# Altium PCB CAN2XG.PcbDoc (part 1 of 2) (continued)
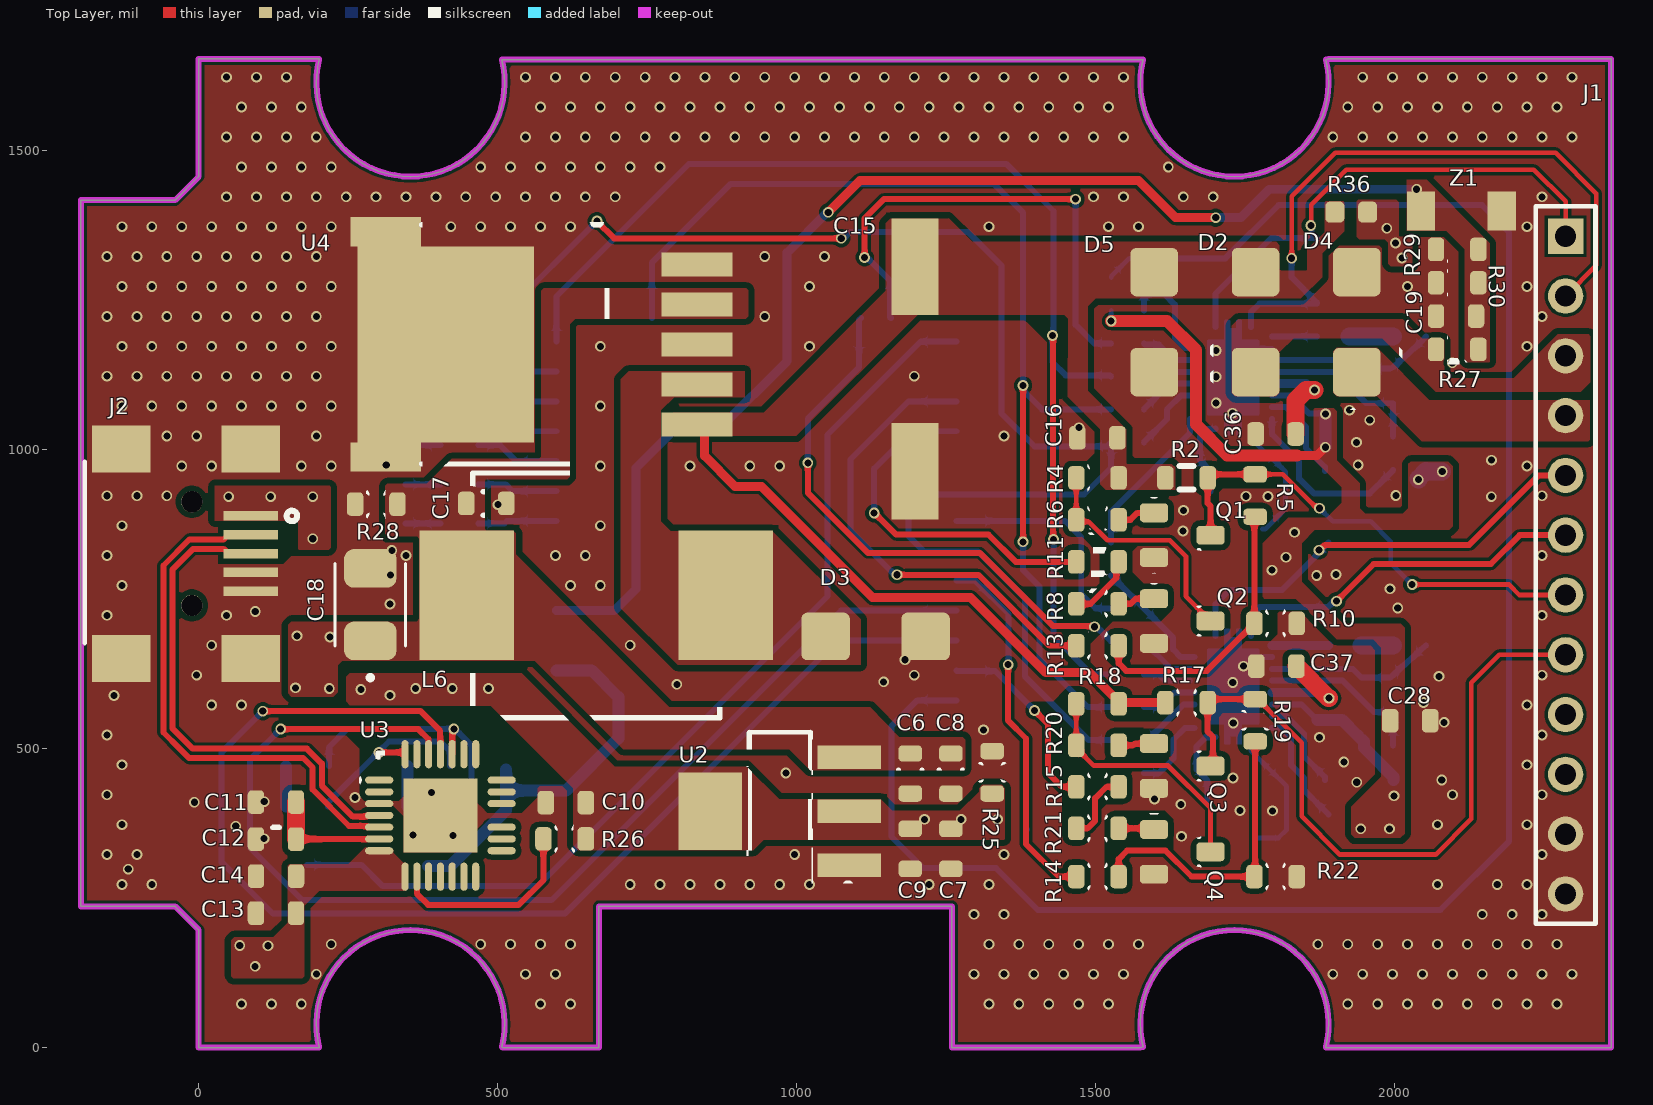
[diagram p0: Top Layer view]
## Footprints (in the part's own frame and the unit in brackets; to place one, negate y for a bottom-side part, rotate by r counter-clockwise, add the part's x,y. Pads: shape width x height; smd on the part's side, far side on the other; paste and mask are expansions set on the pad) (continued)
  silkscreen extent 0.65,-5.18 8.74,5.18, body extent -1.8,-5 13.87,5, height 4.78

## Part data
C1 C2 C6 C7 C11 C13: library part "C4.7uF 0603", "CAP CER 4.7uF 50V X7R 0603", Case/Package=0603, Dielectric=X7R, Voltage=50V
C3 C5: library part "C1uF 0603", "CAP CER 100nF 25V X7R 0603", Case/Package=0603, Dielectric=X7R, Voltage=25V
C4 C8 C10 C12 C14 C16 C17: library part "C100nF 0603", "CAP CER 100nF 25V X7R 0603", Case/Package=0603, Dielectric=X7R, Voltage=25V
C9: library part "C10uF  0603", "CAP CER 10uF 25V  0603", Case/Package=0603, Dielectric=X7R, Voltage=25V
C15: library part "C200uF 10x10.2", "220uF 50V 10x10.5mm SMD Electrolytic Capacitor", Voltage=50V
C18: library part C100uF, "100uF 16V (107C B3528) Tantalum", Voltage=16V
C19: library part "C100nF 0603", "CAP CER 100nF 25V X7R 0603", Case/Package=0603, Dielectic=X7R, Voltage=25V
C20 C28: library part "C10uF  0603", "CAP CER 10uF 25V  0603", Case/Package=0603, Dielectirc=X7R, Voltage=10V
C21 C23 C29 C31: library part "C10uF  0603", "CAP CER 100nF 25V X7R 0603", Case/Package=0603, Dielectirc=X7R, Voltage=25V
C22 C30: library part "C10uF  0603", "CAP CER 0.33uF 10V  0603", Case/Package=0603, Dielectirc=X7R, Voltage=10V
C24 C32 C36 C37: library part "C10uF  0603", "CAP CER 10uF 25V  0603", Case/Package=0603, Dielectirc=X7R, Voltage=25V
C25 C33: library part CS0805KRX7RYBB472, "CAP CER 4.7nF 50V X7R 0603", Case/Package=0603, Dielectric=X7R, Voltage=50V, ComponentLink1Description=https://datasheet.ciiva.com/204/cx7r-204728.pdf?src-supplier=Digi-Key, ComponentLink1URL=https://datasheet.ciiva.com/204/cx7r-204728.pdf?src-supplier=Digi-Key, ComponentLink2Description=https://datasheet.ciiva.com/5418/cx7r-218113-5418187.pdf?src-supplier=Mouser, ComponentLink2URL=https://datasheet.ciiva.com/5418/cx7r-218113-5418187.pdf?src-supplier=Mouser
C26 C27 C34 C35: library part CQ0805BRNPOYBN8R2, "CAP CER 9PF 50V X7R 0402", Case/Package=0402, Voltage=50V, ComponentLink1Description=https://datasheet.ciiva.com/204/cx7r-204728.pdf?src-supplier=Digi-Key, ComponentLink1URL=https://datasheet.ciiva.com/204/cx7r-204728.pdf?src-supplier=Digi-Key, ComponentLink2Description=https://datasheet.ciiva.com/5418/cx7r-218113-5418187.pdf?src-supplier=Mouser, ComponentLink2URL=https://datasheet.ciiva.com/5418/cx7r-218113-5418187.pdf?src-supplier=Mouser
D1: library part 1N4007, "DO214 SMD Version of 1N4007 Forward Current: 1A Max Repititive Reverse Voltage: 1000 V Max RMS Voltage: 700V / Max DC Blocking Voltage: 1000V", ComponentLink1Description="Supplier Link", ComponentLink1URL=https://www.ktron.in/product/m7-diode-sma/, Manufacturer Part Number=1N4007
D2: library part 1N4007, "DO214 SMD Version of 1N4007 Forward Current: 1A Max Repititive Reverse Voltage: 1000 V Max RMS Voltage: 700V  Max DC Blocking Voltage: 1000V Max instantaneous forward voltage: 1.1 V", ComponentLink1Description="Supplier Link", ComponentLink1URL=https://www.ktron.in/product/m7-diode-sma/, Maunfacturer Part Number=1N4007
D3: library part SS34-E3/57T, "Schottky Diodes & Rectifiers 3.0 Amp 40 Volt", Manufacturer Part Number=SS34-E3/57T
D4: library part 1N4007, "DO214 SMD Version of 1N4007 Forward Current: 1A Max Repititive Reverse Voltage: 1000 V Max RMS Voltage: 700V Max DC Blocking Voltage: 1000V", ComponentLink1Description="Supplier Link", ComponentLink1URL=https://www.ktron.in/product/m7-diode-sma/, Manufacturer Part Number=1N4007
D5: library part "SMBJ TVS Diode", "ESD Protection Diodes / TVS Diodes 600W 200V 5% Uni-Directional", Manufature Part Number=SMBJ200A
J1: library part "Header 12", "Header, 12-Pin"
J2: library part 1734035-2, "CONN RCPT USB2.0 MINI B SMD R/A", Manufacturer Part Number=1734035-2
L1: library part IN-S63ATR, "LED RED CLEAR 0603 SMD", Case/Packahe=0603, ComponentLink1Description=http://www.inolux-corp.com/datasheet/SMDLED/Mono%20Color%20Top%20View/IN-S63AT%20Series_V1.1.pdf?src-supplier=Digi-Key, ComponentLink1URL=http://www.inolux-corp.com/datasheet/SMDLED/Mono%20Color%20Top%20View/IN-S63AT%20Series_V1.1.pdf?src-supplier=Digi-Key, Manufacturer Part Number=IN-S63ATR
L2: library part IN-S63AT5B, "LED BLUE CLEAR 0603 SMD", Case/Package=0603, ComponentLink1Description=http://www.inolux-corp.com/datasheet/SMDLED/Mono%20Color%20Top%20View/IN-S63AT%20Series_V1.1.pdf?src-supplier=Digi-Key, ComponentLink1URL=http://www.inolux-corp.com/datasheet/SMDLED/Mono%20Color%20Top%20View/IN-S63AT%20Series_V1.1.pdf?src-supplier=Digi-Key, Manufacturer Part Number=IN-S63AT5B
L3: library part LED_Orange0603, "LED ORANGE CLEAR 0603 SMD", Case/Packahe=0603
L4: library part IN-S63AT5G, "LED GREEN CLEAR 0603 SMD", Case/Packahe=0603, ComponentLink1Description=http://www.inolux-corp.com/datasheet/SMDLED/Mono%20Color%20Top%20View/IN-S63AT%20Series_V1.1.pdf?src-supplier=Digi-Key, ComponentLink1URL=http://www.inolux-corp.com/datasheet/SMDLED/Mono%20Color%20Top%20View/IN-S63AT%20Series_V1.1.pdf?src-supplier=Digi-Key, Manufacturer Part Number=IN-S63AT5G
L5: library part "LED Y 0603", "LED YELLOW CLEAR 0603 SMD", Case/Packahe=0603, Manufacturer Part Number=IN-S63AT5Y
L6: library part "L68uH inductor", "68uH"
Q1 Q2 Q3 Q4: library part MMBT2222ALT1G, "TRANS NPN 40V 0.6A SOT23-3", Case/Package=SOT-23-3, Manufacturer Part Number=MMBT2222ALT1G
  Q2 Q3 Q4: ComponentLink1Description=https://datasheet.ciiva.com/16199/mmbt2222lt1-d-16199072.pdf?src-supplier=Future+Electronics, ComponentLink1URL=https://datasheet.ciiva.com/16199/mmbt2222lt1-d-16199072.pdf?src-supplier=Future+Electronics, ComponentLink2Description=https://datasheet.ciiva.com/15139/getdatasheetpartid-82691-15139077.pdf?src-supplier=Verical, ComponentLink2URL=https://datasheet.ciiva.com/15139/getdatasheetpartid-82691-15139077.pdf?src-supplier=Verical, ComponentLink3Description=https://datasheet.ciiva.com/7972/mmbt2222lt1-d-7972057.pdf?src-supplier=Element14, ComponentLink3URL=https://datasheet.ciiva.com/7972/mmbt2222lt1-d-7972057.pdf?src-supplier=Element14, ComponentLink4Description=https://datasheet.ciiva.com/7972/mmbt2222lt1-d-7972058.pdf?src-supplier=Element14, ComponentLink4URL=https://datasheet.ciiva.com/7972/mmbt2222lt1-d-7972058.pdf?src-supplier=Element14, ComponentLink5Description=https://datasheet.ciiva.com/14546/70099528-14546715.pdf?src-supplier=Allied+Electronics, ComponentLink5URL=https://datasheet.ciiva.com/14546/70099528-14546715.pdf?src-supplier=Allied+Electronics, ComponentLink6Description=https://datasheet.ciiva.com/25998/mmbt2222lt1-d-25998815.pdf?src-supplier=Avnet+Europe, ComponentLink6URL=https://datasheet.ciiva.com/25998/mmbt2222lt1-d-25998815.pdf?src-supplier=Avnet+Europe, ComponentLink7Description=https://datasheet.ciiva.com/976/mmbt2222lt1-d-976344.pdf?src-supplier=Digi-Key, ComponentLink7URL=https://datasheet.ciiva.com/976/mmbt2222lt1-d-976344.pdf?src-supplier=Digi-Key, ComponentLink8Description=https://datasheet.ciiva.com/976/mmbt2222lt1-d-976345.pdf?src-supplier=Digi-Key, ComponentLink8URL=https://datasheet.ciiva.com/976/mmbt2222lt1-d-976345.pdf?src-supplier=Digi-Key, ComponentLink9Description=https://datasheet.ciiva.com/976/mmbt2222lt1-d-976346.pdf?src-supplier=Digi-Key, ComponentLink9URL=https://datasheet.ciiva.com/976/mmbt2222lt1-d-976346.pdf?src-supplier=Digi-Key, ComponentLink10Description=https://datasheet.ciiva.com/11201/mmbt2222lt1-d-11201869.pdf?src-supplier=Avnet, ComponentLink10URL=https://datasheet.ciiva.com/11201/mmbt2222lt1-d-11201869.pdf?src-supplier=Avnet
R1 R7 R9 R12 R16: library part "R1K 0603", "Thick Film Resistor -  1K, 1%, 0603", Case/Package=0603
R2 R17: library part "R1K 0603", "Thick Film Resistor -  1K ohm, 1%, 0603", Case/Package=0603
R3: library part "R10K 0603", "Thick Film Resistor -  10Kohm, 1%, 0603", Case/Package=0603
R4 R6 R8 R18 R20 R21: library part R_15K, "Thick Film Resistor -  15Kohm, 1%, 0603", Case/Package=0603
R5 R10 R26: library part R_4k7, "Thick Film Resistor -  4K7 ohm, 1%, 0603", Case/Package=0603
R11 R13 R14 R15: library part R_4k7, "Thick Film Resistor -  4K7, 1%, 0603", Case/Package=0603
R19 R22: library part R_4k7, "Thick Film Resistor -  4K7ohm, 1%, 0603", Case/Package=0603
R23: library part "R10K 0603", "Thick Film Resistor -  10K, 1%, 0603", Case/Package=0603
R24: library part "R10K 0603", "Thick Film Resistor -  10K, 1%, 0603", Case/Pacake=0603
R25 R28: library part "R1MOhm 0603", "Thick Film Resistor -  10M, 1%, 0603", Case/Package=0603
R27: library part R_47K, "Thick Film Resistor -  4K7 ohm, 1%, 0603", Case/Package=0603
R29 R30: library part "R12K 0603", "Thick Film Resistor -  12K ohm, 1%, 0603", Case/Package=0603
R31 R44 R45 R46 R47 R58 R59 R60: library part ERJ6ENF1002V, "Thick Film Resistor -  10K, 1%, 0603", Case/Package=0603
  R45 R46 R59 R60: ComponentLink1Description=https://datasheet.ciiva.com/11808/0900766b80f80784-11808080.pdf?src-supplier=RSComponents, ComponentLink1URL=https://datasheet.ciiva.com/11808/0900766b80f80784-11808080.pdf?src-supplier=RSComponents, ComponentLink2Description=https://datasheet.ciiva.com/16514/aoa0000ce2-16514021.pdf?src-supplier=Avnet+Asia, ComponentLink2URL=https://datasheet.ciiva.com/16514/aoa0000ce2-16514021.pdf?src-supplier=Avnet+Asia, ComponentLink3Description=https://datasheet.ciiva.com/27055/1988971-27055733.pdf?src-supplier=Jameco, ComponentLink3URL=https://datasheet.ciiva.com/27055/1988971-27055733.pdf?src-supplier=Jameco, ComponentLink4Description=https://datasheet.ciiva.com/16759/70260748-16759350.pdf?src-supplier=Allied+Electronics, ComponentLink4URL=https://datasheet.ciiva.com/16759/70260748-16759350.pdf?src-supplier=Allied+Electronics, ComponentLink5Description=https://datasheet.ciiva.com/16725/70260748-16725031.pdf?src-supplier=Allied+Electronics, ComponentLink5URL=https://datasheet.ciiva.com/16725/70260748-16725031.pdf?src-supplier=Allied+Electronics, ComponentLink6Description=https://datasheet.ciiva.com/7830/426256-7830745.pdf?src-supplier=Element14, ComponentLink6URL=https://datasheet.ciiva.com/7830/426256-7830745.pdf?src-supplier=Element14, ComponentLink7Description=https://datasheet.ciiva.com/46372/1678782-46372714.pdf?src-supplier=Element14, ComponentLink7URL=https://datasheet.ciiva.com/46372/1678782-46372714.pdf?src-supplier=Element14, ComponentLink8Description=https://datasheet.ciiva.com/46372/1678782-46372715.pdf?src-supplier=Element14, ComponentLink8URL=https://datasheet.ciiva.com/46372/1678782-46372715.pdf?src-supplier=Element14, ComponentLink9Description=https://datasheet.ciiva.com/17212/aoa0000ce2-17212108.pdf?src-supplier=Avnet+Europe, ComponentLink9URL=https://datasheet.ciiva.com/17212/aoa0000ce2-17212108.pdf?src-supplier=Avnet+Europe, ComponentLink10Description=https://datasheet.ciiva.com/30140/aoa0000ce2-30140236.pdf?src-supplier=Onlinecomponents.com, ComponentLink10URL=https://datasheet.ciiva.com/30140/aoa0000ce2-30140236.pdf?src-supplier=Onlinecomponents.com
R32 R48: library part ERJ6ENF1002V, "Thick Film Resistor -  3K, 1%, 0603", Case/Package=0603
  R48: ComponentLink1Description=https://datasheet.ciiva.com/11808/0900766b80f80784-11808080.pdf?src-supplier=RSComponents, ComponentLink1URL=https://datasheet.ciiva.com/11808/0900766b80f80784-11808080.pdf?src-supplier=RSComponents, ComponentLink2Description=https://datasheet.ciiva.com/16514/aoa0000ce2-16514021.pdf?src-supplier=Avnet+Asia, ComponentLink2URL=https://datasheet.ciiva.com/16514/aoa0000ce2-16514021.pdf?src-supplier=Avnet+Asia, ComponentLink3Description=https://datasheet.ciiva.com/27055/1988971-27055733.pdf?src-supplier=Jameco, ComponentLink3URL=https://datasheet.ciiva.com/27055/1988971-27055733.pdf?src-supplier=Jameco, ComponentLink4Description=https://datasheet.ciiva.com/16759/70260748-16759350.pdf?src-supplier=Allied+Electronics, ComponentLink4URL=https://datasheet.ciiva.com/16759/70260748-16759350.pdf?src-supplier=Allied+Electronics, ComponentLink5Description=https://datasheet.ciiva.com/16725/70260748-16725031.pdf?src-supplier=Allied+Electronics, ComponentLink5URL=https://datasheet.ciiva.com/16725/70260748-16725031.pdf?src-supplier=Allied+Electronics, ComponentLink6Description=https://datasheet.ciiva.com/7830/426256-7830745.pdf?src-supplier=Element14, ComponentLink6URL=https://datasheet.ciiva.com/7830/426256-7830745.pdf?src-supplier=Element14, ComponentLink7Description=https://datasheet.ciiva.com/46372/1678782-46372714.pdf?src-supplier=Element14, ComponentLink7URL=https://datasheet.ciiva.com/46372/1678782-46372714.pdf?src-supplier=Element14, ComponentLink8Description=https://datasheet.ciiva.com/46372/1678782-46372715.pdf?src-supplier=Element14, ComponentLink8URL=https://datasheet.ciiva.com/46372/1678782-46372715.pdf?src-supplier=Element14, ComponentLink9Description=https://datasheet.ciiva.com/17212/aoa0000ce2-17212108.pdf?src-supplier=Avnet+Europe, ComponentLink9URL=https://datasheet.ciiva.com/17212/aoa0000ce2-17212108.pdf?src-supplier=Avnet+Europe, ComponentLink10Description=https://datasheet.ciiva.com/30140/aoa0000ce2-30140236.pdf?src-supplier=Onlinecomponents.com, ComponentLink10URL=https://datasheet.ciiva.com/30140/aoa0000ce2-30140236.pdf?src-supplier=Onlinecomponents.com
R33 R49: library part ERJ6ENF1002V, "Thick Film Resistor -  33K, 1%, 0603", Case/Package=0603
  R33: ComponentLink1Description=https://datasheet.ciiva.com/11808/0900766b80f80784-11808080.pdf?src-supplier=RSComponents, ComponentLink1URL=https://datasheet.ciiva.com/11808/0900766b80f80784-11808080.pdf?src-supplier=RSComponents, ComponentLink2Description=https://datasheet.ciiva.com/16514/aoa0000ce2-16514021.pdf?src-supplier=Avnet+Asia, ComponentLink2URL=https://datasheet.ciiva.com/16514/aoa0000ce2-16514021.pdf?src-supplier=Avnet+Asia, ComponentLink3Description=https://datasheet.ciiva.com/27055/1988971-27055733.pdf?src-supplier=Jameco, ComponentLink3URL=https://datasheet.ciiva.com/27055/1988971-27055733.pdf?src-supplier=Jameco, ComponentLink4Description=https://datasheet.ciiva.com/16759/70260748-16759350.pdf?src-supplier=Allied+Electronics, ComponentLink4URL=https://datasheet.ciiva.com/16759/70260748-16759350.pdf?src-supplier=Allied+Electronics, ComponentLink5Description=https://datasheet.ciiva.com/16725/70260748-16725031.pdf?src-supplier=Allied+Electronics, ComponentLink5URL=https://datasheet.ciiva.com/16725/70260748-16725031.pdf?src-supplier=Allied+Electronics, ComponentLink6Description=https://datasheet.ciiva.com/7830/426256-7830745.pdf?src-supplier=Element14, ComponentLink6URL=https://datasheet.ciiva.com/7830/426256-7830745.pdf?src-supplier=Element14, ComponentLink7Description=https://datasheet.ciiva.com/46372/1678782-46372714.pdf?src-supplier=Element14, ComponentLink7URL=https://datasheet.ciiva.com/46372/1678782-46372714.pdf?src-supplier=Element14, ComponentLink8Description=https://datasheet.ciiva.com/46372/1678782-46372715.pdf?src-supplier=Element14, ComponentLink8URL=https://datasheet.ciiva.com/46372/1678782-46372715.pdf?src-supplier=Element14, ComponentLink9Description=https://datasheet.ciiva.com/17212/aoa0000ce2-17212108.pdf?src-supplier=Avnet+Europe, ComponentLink9URL=https://datasheet.ciiva.com/17212/aoa0000ce2-17212108.pdf?src-supplier=Avnet+Europe, ComponentLink10Description=https://datasheet.ciiva.com/30140/aoa0000ce2-30140236.pdf?src-supplier=Onlinecomponents.com, ComponentLink10URL=https://datasheet.ciiva.com/30140/aoa0000ce2-30140236.pdf?src-supplier=Onlinecomponents.com
R34 R43 R50 R57: library part RC0805FR-0760R4L, "Thick Film Resistor -  60.4R, 1%, 0603", Case/Package=0603, ComponentLink1Description=https://industrial.panasonic.com/sa/system/files/data/download/catalog/id_fixed-resistors_e_2.pdf?src-supplier=Digi-Key, ComponentLink1URL=https://industrial.panasonic.com/sa/system/files/data/download/catalog/id_fixed-resistors_e_2.pdf?src-supplier=Digi-Key, ComponentLink2Description=https://industrial.panasonic.com/cdbs/www-data/pdf/RDM0000/DMM0000COL5.pdf?src-supplier=Digi-Key, ComponentLink2URL=https://industrial.panasonic.com/cdbs/www-data/pdf/RDM0000/DMM0000COL5.pdf?src-supplier=Digi-Key
R35 R36 R37 R38 R39 R40 R41 R42 R51 R52 R53 R54 R55 R56: library part RC0805FR-0760R4L, "Thick Film Resistor -  0R , 1%, 0603", Case/Package=0603, ComponentLink1Description=https://industrial.panasonic.com/sa/system/files/data/download/catalog/id_fixed-resistors_e_2.pdf?src-supplier=Digi-Key, ComponentLink1URL=https://industrial.panasonic.com/sa/system/files/data/download/catalog/id_fixed-resistors_e_2.pdf?src-supplier=Digi-Key, ComponentLink2Description=https://industrial.panasonic.com/cdbs/www-data/pdf/RDM0000/DMM0000COL5.pdf?src-supplier=Digi-Key, ComponentLink2URL=https://industrial.panasonic.com/cdbs/www-data/pdf/RDM0000/DMM0000COL5.pdf?src-supplier=Digi-Key
T1 T2: library part MMBT2222, "2TRANS NPN 30V 0.6A SOT23-3", Manufacturer Part Number=MMBT2222
U1: library part ESP32-WROOM-32D(M113DH3200PH3Q0), "WiFi Modules (802.11) SMD Module, ESP32-D0WD, 32Mbits SPI 4MB flash, UART mode, PCB antenna", ComponentLink1Description=Link, ComponentLink1URL=https://www.mouser.com/ProductDetail/Espressif-Systems/ESP32-WROOM-32D-N4?qs=Li%252BoUPsLEntUgv1ft2QYWQ%3D%3D, Manufacturer Part Number=ESP32-WROOM-32D(M113DH3200PH3Q0)
U2: library part LM1117IMP-3.3/NOPB, "LDO Voltage Regulators 800MA LDO LINEAR REG", Manufacturer Part Number=LM1117IMP-3.3/NOPB
U3: library part CP2102-GMR, "USB-to-UART 1-CH 640byte FIFO 3.3V Automotive 28-Pin QFN EP T/R", Manufacturer Part Number=CP2102-GMR
U4: library part LM2596S-5.0/NOPB, "Switching Voltage Regulators 150 KHZ 3A STEP-DOWN VLTG REG", Manufacturer Part Number=LM2596S-5.0/NOPB
U5 U6: library part TCAN4550RGYTQ1, "Automotive system basis chip (SBC) with integrated CAN FD controller & transceiver 20-VQFN -40 to 125", Package=None, Availability=Unavailable, Manufacturer Part Number=TCAN4550RGYTQ1, Price=None
X1 X2: library part CRYSTAL_1, "CRYSTAL 40.0000MHZ 10PF SMD", Manufacturer Part Number="TSX-3225 40.0000MF10Y-K3"
Z1: library part Zener5.1V, "Zener Diode 5.1V / 500mW / 5% Tolerance / SMD Equivalent of BZX55C5V1", Case/Package=SOD-80-2, Voltage=5.1V, ComponentLink1Description="Supplier Link", ComponentLink1URL=https://www.ktron.in/product/zener-diode-5v1-500mw-sod-80-2/

## Via types
v1: diameter 17.99, hole 11.81, Top Layer to Bottom Layer, tented both sides, 453 vias

## Nets (pads, with @x,y where several pads share a name; then routed paths per layer and width w, separated by ;. In a path a pad name is that pad's centre, name@x,y a point inside that pad or via, vN(x,y) a via of type N, cw(c..) or ccw(c..) an arc to the next point about the centre after c; other vN are vias at no path point)
+5: C6.2 C8.2 C17.2 C18.1 D1.1 L6.2 R28.2 U2.3 U4.4
  other v1: 218.67,600.71 161.82,601.8 219.66,686.75 164.45,688.65
+12: C15.1 C16.2 D2.1 D5.1 R2.2 R4.2 R17.2 R18.2 R36.1 U4.1 | length 994.3
  Top Layer w15: U4.1@846.17,1042.36 846.17,989.53 896.89,938.81 941.26,938.81 1127.35,752.72 1291.17,752.72 1416.75,627.14 1490.23,627.14 1540.38,577 R17.2@1616.72,577
ADC_INPUT_1: C19.2 R27.1 R29.2 R30.2 U1.5 Z1.1 | length 2006.8
  Top Layer w15: v1(1053,1397) 1106,1450 1572,1450 1634,1388 v1(1701,1388)
  Bottom Layer w15: U1.5@598.2,730.86 695.05,730.86 731.12,766.92 731.12,969.14 796.19,1034.22 870.27,1034.22 984.06,1148.01 984.06,1329.45 1051.6,1397 v1(1053,1397) ; v1(1701,1388) 1743,1388 1790.56,1435.56 v1(2037.05,1435.56)
"BATT +": D2.2 J1.3 R27.2
"BATT -": D4.1 J1.4
CAN1_H: J1.2 R34.2 U5.11 | length 1098.8
  Top Layer w7.87: v1(1827.99,1320.14) 1827.99,1423.72 1900.94,1496.66 2269.34,1496.66 2337.61,1428.39 2337.61,1308.44 J1.2@2286.17,1257
  Bottom Layer w10: U5.11@1759.64,1205.12 1759.64,1229.64 1774.23,1244.23 1864.56,1244.23 R34.2@1870.12,1244.23 1870.12,1246.16 1827.99,1288.3 v1(1827.99,1320.14)
CAN1_L: J1.1 R43.1 U5.10 | length 853.8
  Top Layer w7.87: v1(1860.08,1374.93) 1860.79,1375.64 1860.79,1409.83 1919.27,1468.32 2233.07,1468.32 2286.17,1415.22 J1.1@2286.17,1357
  Bottom Layer w7.87: v1(1860.08,1374.93) 1862.02,1373 1862.02,1362.1 R43.1@1870.12,1353.99
  Bottom Layer w10: U5.10@1700.58,1205.12 1700.58,1260.58 1793.99,1353.99 R43.1@1870.12,1353.99
CAN2_H: J1.6 R50.2 U6.11 | length 615.8
  Top Layer w10: v1(1902.97,746.62) 1965.26,808.92 2161.12,808.92 2209.2,857 J1.6@2286.17,857
  Bottom Layer w10: U6.11@1759.64,688.43 1759.64,721.8 1774.38,736.54 R50.2@1888.66,736.54 ; R50.2@1888.66,736.71 1898.56,746.62 v1(1902.97,746.62)
CAN2_L: J1.5 R57.1 U6.10 | length 750.8
  Top Layer w10: v1(1873.71,832) 1874.57,832 1883.57,841 2125,841 2241,957 J1.5@2286.17,957
  Bottom Layer w10: U6.10@1700.58,688.43 1700.58,741.65 1724.14,765.22 1811.72,765.22 v1@1876.11,829.6 ; v1(1873.71,832) 1876.73,832 R57.1@1889.72,844.99
CS: R40.1 U5.7 | length 95.8
  Bottom Layer w10: R40.1@1580.83,1177.68 1582.64,1175.87 1605.92,1175.87 1631.79,1150 U5.7@1665.15,1150
CS_1: R56.1 U6.7 | length 103.5
  Bottom Layer w10: R56.1@1580.83,679.58 1627.1,633.31 U6.7@1665.15,633.31
DP_N: J2.2 U3.5 | length 894.6
  Top Layer w10: J2.2@87.15,857.71 49.75,857.71 41.75,849.71 -15.48,849.71 -58.79,806.39 -58.79,527.02 -32.35,500.58 -20.86,489.09 -16.32,484.55 174.61,484.55 190.57,468.59 190.57,431.72 251.52,370.77 281.73,370.77 283.83,368.68 U3.5@302.03,368.68
DP_P: J2.3 U3.4 | length 843.2
  Top Layer w10: J2.3@87.15,826.21 49.75,826.21 41.75,834.21 -9.06,834.21 -43.29,799.97 -43.29,533.44 -9.9,500.05 181.03,500.05 206.07,475.01 206.07,438.14 257.94,386.27 281.73,386.27 283.83,388.36 U3.4@302.03,388.36
FLTR: C22.2 U5.18 | length 157.9
  Bottom Layer w10: U5.18@1795.07,1071.26 1795.15,1071.18 1818.92,1071.18 1851.96,1038.14 1851.96,1002.55 1883.68,970.83 C22.2@1883.68,964.04
FLTR_1: C30.2 U6.18 | length 157.7
  Bottom Layer w10: U6.18@1795.07,554.57 1818.84,554.57 1848.54,524.87 1848.54,487.58 1883.69,452.43 C30.2@1883.69,447.48
GND: C1.1 C2.1 C3.1 C4.1 C5.1 C6.1 C7.1 C8.1 C9.1 C10.1 C11.1 C12.1 C13.1 C14.1 C15.2 C16.1 C17.1 C18.2 C19.1 C20.1 C21.1 C22.1 C23.1 C24.1 C25.1 C26.1 C27.1 C28.1 C29.1 C30.1 C31.1 C32.1 C33.1 C34.1 C35.1 C36.1 C37.1 D3.2 D4.2 D5.2 J1.11 J1.12 J2.4 J2.5 J2.6 Q1.2 Q2.2 Q3.2 Q4.2 R10.1 R22.1 R25.1 R28.1 R29.1 R30.1 R44.1 R58.1 U1.1 U1.15 U1.38 U1.39 U2.1 U3.3 U3.29 U4.3 U4.5 U4.6 U4.7 U4.8 U5.13 U5.21 U6.13 U6.21 X1.2 X1.4 X2.2 X2.4 Z1.2 | length 182.3
  Bottom Layer w7.87: v1(1701.71,1165.98) 1704.45,1165.98 1708.16,1169.68 U5.13@1795.07,1169.68 ; v1(1729.52,610.49) 1736.81,610.49 1745.86,619.53 1745.86,626.83 1772.03,653
  Bottom Layer w10: 1772.03,653 U6.13@1795.07,653
  other v1: 71.78,72.93 121.78,72.93 171.78,72.93 571.78,72.93 621.78,72.93 1321.78,72.93 1371.78,72.93 1421.78,72.93 1471.78,72.93 1521.78,72.93 1921.78,72.93 1971.78,72.93 2021.78,72.93 2071.78,72.93 2121.78,72.93 2171.78,72.93 2221.78,72.93 2271.78,72.93 196.78,122.93 546.78,122.93 596.78,122.93 1296.78,122.93 1346.78,122.93 1396.78,122.93 1446.78,122.93 1496.78,122.93 1546.78,122.93 1896.78,122.93 1946.78,122.93 1996.78,122.93 2046.78,122.93 2096.78,122.93 2146.78,122.93 2196.78,122.93 2246.78,122.93 2296.78,122.93 221.78,172.93 471.78,172.93 521.78,172.93 571.78,172.93 621.78,172.93 1321.78,172.93 1371.78,172.93 1421.78,172.93 1471.78,172.93 1521.78,172.93 1571.78,172.93 1871.78,172.93 1921.78,172.93 1971.78,172.93 2021.78,172.93 2071.78,172.93 2121.78,172.93 2171.78,172.93 2221.78,172.93 2271.78,172.93 1296.78,222.93 1346.78,222.93 2146.78,222.93 2196.78,222.93 2246.78,222.93 -128.22,272.93 -78.22,272.93 721.78,272.93 771.78,272.93 821.78,272.93 871.78,272.93 921.78,272.93 971.78,272.93 1021.78,272.93 1221.78,272.93 1321.78,272.93 2071.78,272.93 2171.78,272.93 2221.78,272.93 -117.65,298.44 -153.22,322.93 -103.22,322.93 996.78,322.93 1346.78,322.93 2246.78,322.93 109.25,349.43 1643.69,353.35 425.67,354.43 358.44,355.65 62.1,370.37 -128.22,372.93 2071.78,372.93 2221.78,372.93 1741.54,396.6 1795.93,396.1 1642.66,406.98 -7.18,410.36 109.73,411.39 1598.65,415.81 261.35,418.52 -153.22,422.93 2096.78,422.93 2246.78,422.93 389.4,426.8 1936.84,443.86 2079.06,447.48 1729.74,450.93 982.11,459.52 -128.22,472.93 2221.78,472.93 1915.28,477.62 1874.42,518.93 -153.22,522.93 2246.78,522.93 1312.74,531.44 1730.28,542.78 2083.12,544.05 21.78,572.93 71.78,572.93 2221.78,572.93 2048.3,577.01 -141.45,588.9 799.82,607.56 1145.61,611.72 2074.57,620.99 -3.22,622.93 1196.78,622.93 2246.78,622.93 1747.25,638.02 1181.44,648.69 21.78,672.93 721.78,672.93 -153.22,722.93 46.78,722.93 2246.78,722.93 94.7,729.42 2005.47,735.16 320.06,741.99 1992.5,767.35 -128.22,772.93 621.78,772.93 671.78,772.93 1869.84,789.43 321.27,790.71 1902,791.35 -153.22,822.93 346.78,822.93 596.78,822.93 646.78,822.93 2246.78,822.93 323.15,831.52 1646.37,864.15 -128.22,872.93 671.78,872.93 1646.99,898.56 500.8,908 1788.57,921.72 2161.85,921.45 -153.22,922.93 -103.22,922.93 -53.22,922.93 1751.65,922.18 2246.78,922.93 2002.25,923.37 -28.22,972.93 21.78,972.93 171.78,972.93 221.78,972.93 671.78,972.93 821.78,972.93 921.78,972.93 971.78,972.93 2221.78,972.93 313.83,974.32 1939.26,974.4 2162.19,982.47 1936.32,1012.38 -53.22,1022.93 -3.22,1022.93 196.78,1022.93 1346.78,1022.93 1472.32,1036.87 1958.59,1049.3 1728.85,1061.04 1924.76,1066.04 -128.22,1072.93 -78.22,1072.93 -28.22,1072.93 21.78,1072.93 71.78,1072.93 121.78,1072.93 171.78,1072.93 221.78,1072.93 671.78,1072.93 1701.71,1077.98 1701.71,1121.98 -153.22,1122.93 -103.22,1122.93 -53.22,1122.93 -3.22,1122.93 46.78,1122.93 96.78,1122.93 146.78,1122.93 196.78,1122.93 1196.78,1122.93 2096.6,1145.45 -128.22,1172.93 -78.22,1172.93 -28.22,1172.93 21.78,1172.93 71.78,1172.93 121.78,1172.93 171.78,1172.93 221.78,1172.93 671.78,1172.93 1021.78,1172.93 2221.78,1172.93 -153.22,1222.93 -103.22,1222.93 -53.22,1222.93 -3.22,1222.93 46.78,1222.93 96.78,1222.93 146.78,1222.93 196.78,1222.93 946.78,1222.93 2246.78,1222.93 -128.22,1272.93 -78.22,1272.93 -28.22,1272.93 21.78,1272.93 71.78,1272.93 121.78,1272.93 171.78,1272.93 221.78,1272.93 1021.78,1272.93 2021.78,1272.93 2221.78,1272.93 -153.22,1322.93 -103.22,1322.93 -53.22,1322.93 -3.22,1322.93 46.78,1322.93 96.78,1322.93 146.78,1322.93 196.78,1322.93 946.78,1322.93 1046.78,1322.93 -128.22,1372.93 -78.22,1372.93 -28.22,1372.93 21.78,1372.93 71.78,1372.93 121.78,1372.93 171.78,1372.93 221.78,1372.93 421.78,1372.93 471.78,1372.93 521.78,1372.93 571.78,1372.93 621.78,1372.93 1321.78,1372.93 1521.78,1372.93 1571.78,1372.93 2221.78,1372.93 46.78,1422.93 96.78,1422.93 146.78,1422.93 196.78,1422.93 246.78,1422.93 296.78,1422.93 346.78,1422.93 396.78,1422.93 446.78,1422.93 496.78,1422.93 546.78,1422.93 596.78,1422.93 646.78,1422.93 696.78,1422.93 1496.78,1422.93 1546.78,1422.93 1646.78,1422.93 1696.78,1422.93 2246.78,1422.93 71.78,1472.93 121.78,1472.93 171.78,1472.93 221.78,1472.93 471.78,1472.93 521.78,1472.93 571.78,1472.93 621.78,1472.93 671.78,1472.93 721.78,1472.93 771.78,1472.93 1621.78,1472.93 46.78,1522.93 96.78,1522.93 146.78,1522.93 196.78,1522.93 546.78,1522.93 596.78,1522.93 646.78,1522.93 696.78,1522.93 746.78,1522.93 796.78,1522.93 846.78,1522.93 896.78,1522.93 946.78,1522.93 996.78,1522.93 1046.78,1522.93 1096.78,1522.93 1146.78,1522.93 1196.78,1522.93 1246.78,1522.93 1296.78,1522.93 1346.78,1522.93 1396.78,1522.93 1446.78,1522.93 1496.78,1522.93 1546.78,1522.93 1896.78,1522.93 1946.78,1522.93 1996.78,1522.93 2046.78,1522.93 2096.78,1522.93 2146.78,1522.93 2196.78,1522.93 2246.78,1522.93 2296.78,1522.93 71.78,1572.93 121.78,1572.93 171.78,1572.93 571.78,1572.93 621.78,1572.93 671.78,1572.93 721.78,1572.93 771.78,1572.93 821.78,1572.93 871.78,1572.93 921.78,1572.93 971.78,1572.93 1021.78,1572.93 1071.78,1572.93 1121.78,1572.93 1171.78,1572.93 1221.78,1572.93 1271.78,1572.93 1321.78,1572.93 1371.78,1572.93 1421.78,1572.93 1471.78,1572.93 1521.78,1572.93 1921.78,1572.93 1971.78,1572.93 2021.78,1572.93 2071.78,1572.93 2121.78,1572.93 2171.78,1572.93 2221.78,1572.93 2271.78,1572.93 46.78,1622.93 96.78,1622.93 146.78,1622.93 546.78,1622.93 596.78,1622.93 646.78,1622.93 696.78,1622.93 746.78,1622.93 796.78,1622.93 846.78,1622.93 896.78,1622.93 946.78,1622.93 996.78,1622.93 1046.78,1622.93 1096.78,1622.93 1146.78,1622.93 1196.78,1622.93 1246.78,1622.93 1296.78,1622.93 1346.78,1622.93 1396.78,1622.93 1446.78,1622.93 1496.78,1622.93 1546.78,1622.93 1946.78,1622.93 1996.78,1622.93 2046.78,1622.93 2096.78,1622.93 2146.78,1622.93 2196.78,1622.93 2246.78,1622.93 2296.78,1622.93
GPIO_0: T1.3 U1.25 | length 1636.2
  Bottom Layer w10: T1.3@181.26,305.67 272.48,305.67 307.98,270.17 566.82,270.17 1051.81,755.16 1051.81,1024.74 1207.93,1180.86 1267.5,1180.86 U1.25@1267.58,1180.94
GPIO_18: L1.1 U1.10 | length 141.7
  Bottom Layer w10: L1.1@467.66,1007.7 504.07,1007.7 530.91,980.86 U1.10@598.2,980.86
GPIO_19: L2.1 U1.11 | length 148.1
  Bottom Layer w10: L2.1@467.66,1073.24 495.69,1073.24 538.07,1030.86 U1.11@598.2,1030.86
GPIO_27: L3.1 U1.12 | length 164
  Bottom Layer w10: L3.1@467.66,1138.77 492.7,1138.77 511.02,1120.45 511.02,1104.37 534.52,1080.86 U1.12@598.2,1080.86
GPIO_32: L4.1 U1.8 | length 132.3
  Bottom Layer w10: L4.1@467.66,876.64 511.52,876.64 515.74,880.86 U1.8@598.2,880.86
GPIO_33: L5.1 U1.9 | length 135.2
  Bottom Layer w10: L5.1@467.66,942.17 513.35,942.17 524.65,930.86 U1.9@598.2,930.86
INH: R35.2 R44.2 U5.15 | length 280.4
  Bottom Layer w10: U5.15@1795.07,1130.31 1900.1,1130.31 1952.74,1077.68 R44.2@1997.79,1077.68 R35.2@1997.79,1021.84